# KiCad board HermEIS.kicad_pcb (continued)
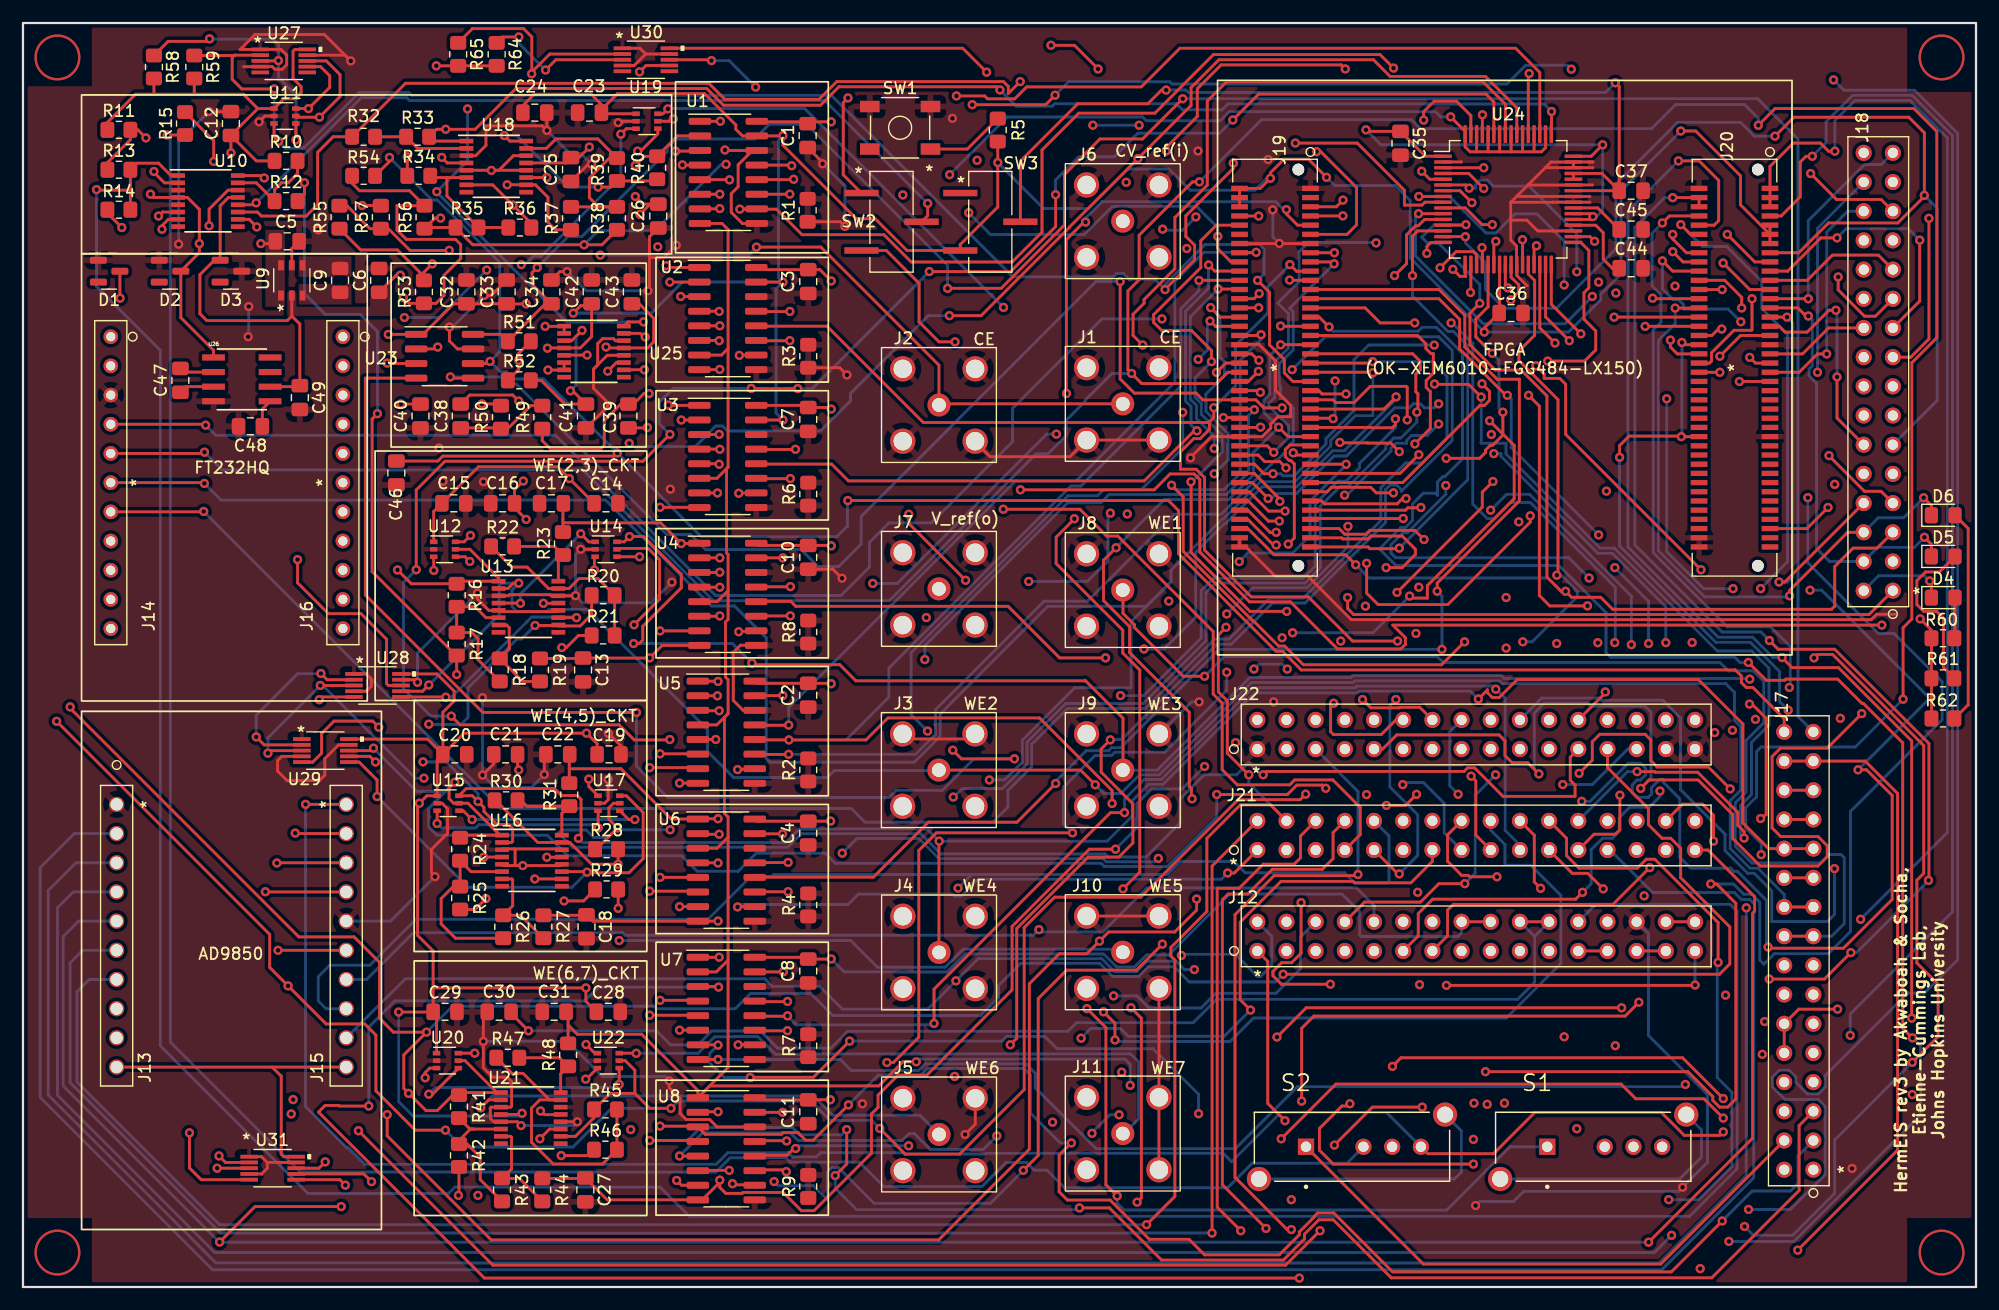
[diagram p0: board, top side]
## Routing (per net, layer and track width the routed paths; a pad name or vN(x,y) marks a point on that pad's centre or on a via; arc(x,y) is an arc through that point) (continued)
/SQ_2: length 243.2
  Top w0.25: J15.3 22.12,36.92 ; v2(116.2,35.9) 116.1,35.8 108.9,35.8 105.5,32.4 105.5,9.54 110.04,5 v2(110.4,5)
  In1.Cu w0.25: v2(110.4,5) 106.5,1.1 8.8,1.1 0.8,9.1 0.8,45 5.1,49.3 17,49.3 22.1,44.2 v2(22.1,36.9)
  Bottom w0.25: v2(116.2,35.9) 116.2,43.13 J22.A3
/SYS_CLK4: length 144.2
  Top w0.25: J19.11 115.25,91.61 116.08,92.44 116.08,95.69 112.97,98.8 v2(112.6,98.8) ; J12.A6 121.45,30.56 121.45,32.5 122.7,33.75 135.15,33.75 v2(135.75,34.35)
  In2.Cu w0.25: v2(112.6,98.8) 107.9,98.8 104.7,95.6 104.7,91.66 105.13,91.24 105.22,91.24 106.4,90.05 106.4,88.4 105.44,87.44 105.44,84.23 108.36,81.31 109.75,81.31 109.96,81.53 122.32,81.53 122.56,81.28 123.28,81.28 125.15,79.42 125.15,67.04 135.21,56.97 135.21,54.6 136.64,53.17 145.37,53.17 149.9,48.64 149.9,48.05 149.5,47.65 148.05,47.65 143.5,43.1 142.55,43.1 v2(142.49,43.16)
  Bottom w0.25: v2(142.49,43.16) 142.49,42.69 141.54,41.74 139.83,41.74 138.94,40.85 138.94,39.65 138.35,39.05 137.5,39.05 136.5,38.06 136.5,35.1 v2(135.75,34.35)
/SYS_CLK5: length 97
  Top w0.25: v2(141.6,36.5) 138.4,33.3 124.5,33.3 124,32.8 124,30.57 J12.A7 ; J20.8 143.31,93.21 v2(142.7,92.6)
  In1.Cu w0.25: v2(141.6,36.5) 141.6,38.6 142.55,39.55 144.05,39.55 144.05,40.96 152.25,49.16 152.25,50.95 153.48,52.18 v2(153.75,52.18)
  Bottom w0.25: v2(142.7,92.6) 141.8,91.7 141.8,87.13 142.57,86.35 142.57,83.95 141.9,83.27 141.9,63.9 148.35,57.45 152.12,57.45 153.84,55.73 153.84,52.27 v2(153.75,52.18)
/T19: length 70.3
  Top w0.25: U24.11 121.48,93.41 v2(121.47,93.4) ; J20.16 144.79,90.01 143.6,91.2 v2(143.6,91.6)
  In1.Cu w0.25: J18.A7 162.76,75.26 162.1,74.6 147,74.6 139.5,82.1 139.5,86.35 ; v2(143.6,91.6) 139.5,87.5 139.5,86.35 ; 139.5,86.35 139.5,85.65 139.4,85.55 137.25,85.55 v2(136.6,86.2)
  Bottom w0.25: v2(121.47,93.4) 121.2,93.13 121.2,89.74 127.11,83.83 134.22,83.83 v2(136.6,86.2)
/T20: length 67
  Top w0.25: v2(165.9,93) 165.9,82.5 164.32,80.92 J18.A9 ; v2(143.6,90.1) 144.49,89.21 J20.18 ; v2(125.88,95.63) 125.6,95.91 U24.6
  In2.Cu w0.25: v2(135.25,88.35) 137,90.1 v2(143.6,90.1) 146.1,92.6 165.5,92.6 v2(165.9,93)
  Bottom w0.25: v2(125.88,95.63) 126.42,95.63 126.42,95.9 126.85,96.33 127.45,96.33 127.97,95.8 131.11,95.8 135.25,91.66 v2(135.25,88.35)
/U19: length 75.7
  Top w0.25: U24.7 125.08,95.41 v2(126.12,94.37) ; J18.A10 163.79,84.48 163.79,84.49 165.1,85.8 v2(165.1,91.1) ; J20.19 153.59,88.41 153.6,88.4 156.5,91.3 v2(157.9,91.3)
  In1.Cu w0.25: v2(126.12,94.37) 126.86,93.63 132.16,93.63 138.65,87.14 v2(138.65,86.5)
  In2.Cu w0.25: v2(138.65,86.5) 138.92,86.78 142.15,86.78 142.67,86.25 142.67,82.1 143.3,81.48 144.7,81.48 145.23,82 148.17,82 150,80.18 154.3,80.18 154.52,80.4 158.44,80.4 159.34,79.5 160.65,79.5 161.35,80.2 161.35,82.05 J18.A10
  Bottom w0.25: v2(157.9,91.3) 158.7,92.1 164.1,92.1 v2(165.1,91.1)
/USB_SCL: length 144.1
  Top w0.25: v2(164.4,23.4) 164.4,47.53 158.03,53.9 153.99,53.9 v2(153.12,54.78) ; J20.10 147.19,92.41 147.2,92.4 147.6,92.8 147.6,96.3 145.9,98 v2(144.1,98)
  In2.Cu w0.25: J12.A8 131.97,22.5 149.1,22.5 151,24.4 155.8,24.4 156.9,23.3 164.3,23.3 v2(164.4,23.4)
  Bottom w0.25: v2(144.1,98) 139.7,93.6 139.7,64.4 147.55,56.55 150.55,56.55 152.32,54.78 v2(153.12,54.78)
/USB_SDA: length 157.9
  Top w0.25: v2(144.3,92.45) 145.14,91.61 J20.12
  In1.Cu w0.25: v2(135.25,13.78) 133.02,16 v2(128.95,16) ; v2(151.25,60.77) 150.52,61.5 148.5,61.5 147.65,60.65 151.31,56.99 156.61,56.99 163.67,49.93 163.67,17.53 v2(164.45,16.75)
  In2.Cu w0.25: J12.A9 126.36,30.65 124.85,30.65 123.9,29.7 123.9,28.85 128.95,23.8 v2(128.95,16) ; v2(164.45,16.75) 159.43,11.73 144.79,11.73 142.74,13.78 v2(135.25,13.78)
  Bottom w0.25: v2(151.25,60.77) 151.75,61.27 153.6,63.13 153.6,82.9 151.35,85.15 151.35,87.5 148.3,90.55 146.2,90.55 v2(144.3,92.45)
/V_dds: length 193.9
  Top w0.25: R15.1 v2(12.55,100.25)
  Bottom w0.25: S2.2 115.26,10.78 107.01,10.78 104.88,8.65 90.65,8.65 89.13,10.17 88.03,10.17 87.36,10.84 85.56,10.84 85.18,10.46 85.18,10.46 83.46,8.74 74.95,8.74 74.82,8.87 74.8,8.87 72.79,10.88 66.77,10.88 66.41,11.24 61.54,11.24 60.3,10 24.15,10 12.82,21.33 12.82,99.98 v2(12.55,100.25)
/V_ref: length 348.2
  Top w0.25: v2(157.95,24.18) 154.57,24.18 J17.B6 153.3,20.37 ; U10.11 20.4,93.55 20.75,93.2 24.65,93.2 25.65,94.2 25.65,98.75 27,100.1 R32.1 33.3,104.75 59.7,104.75 61.09,103.36 69.3,103.36 70.84,104.9 85.34,104.9 85.77,104.48 85.77,103.87 v2(86.8,104.9)
  In1.Cu w0.25: v2(86.8,104.9) 87.7,104 87.7,65.76 84.28,62.34 79.98,62.34 79.73,62.08 79.73,60.71 93.36,60.71 101.96,52.1 119.8,52.1 121.34,50.56 121.34,48.15 J22.A7
  In2.Cu w0.25: v2(157.95,24.18) 167.1,33.33 167.1,99.17 163.06,103.21 132.14,103.21 131,104.35 100.35,104.35 99.81,104.89 87.89,104.89 87.35,104.35 v2(86.8,104.9)
/Vref_o: length 337.1
  Top w0.25: v2(60.65,79.85) 60.64,79.84 58.88,79.84 ; U7.3 60.5,26.16 v2(60.55,26.1) ; U1.1 60.7,101.45 v2(60.7,101.45) ; 58.88,69.11 58.88,69.1 v2(60.45,69.1) ; v2(60.5,36.9) 60.48,36.92 U6.4 ; U18.7 40.89,95.91 v2(42.65,94.15) 44.25,92.55 R36.2 ; U5.5 58.75,47.65 v2(60.3,47.65) ; v2(111.1,0.78) 40.16,0.78 25.72,15.22 26.3,15.8 27.5,15.8 27.55,15.75 v2(30.1,15.75) ; 58.88,58.38 60.62,58.38 v2(60.65,58.4) ; v2(60.5,15.25) 58.79,15.25 U8.2
  In1.Cu w0.25: v2(60.5,15.25) 58.2,17.55 58.2,26.15 ; 58.2,69.15 60.4,69.15 v2(60.45,69.1) ; 58.2,69.15 58.2,58.45 ; 58.2,69.15 58.2,79.85 ; v2(111.1,0.78) 114.77,4.45 139.9,4.45 141.6,2.75 148.25,2.75 148.51,2.49 154.78,2.49 158.1,5.8 158.1,9.2 157.09,10.21 J17.A1 ; v2(60.5,36.9) 58.2,36.9 ; 58.2,36.9 58.2,47.7 ; 58.2,36.9 58.2,26.15 ; v2(60.65,58.4) 58.25,58.4 58.2,58.45 ; 58.2,47.7 60.25,47.7 v2(60.3,47.65) ; 58.2,47.7 58.2,58.45 ; 58.2,79.85 58.2,100.75 58.9,101.45 v2(60.7,101.45) 58.85,99.6 53.1,99.6 50.5,97 49.8,97 46.95,94.15 v2(42.65,94.15) ; 58.2,79.85 v2(60.65,79.85) ; 58.2,26.15 60.5,26.15 v2(60.55,26.1)
  Bottom w0.25: v2(60.55,26.1) 50.1,26.1 48.9,24.9 32.37,24.9 30.1,22.63 v2(30.1,15.75)
/Vref_r: length 113.6
  Top w0.25: R34.1 v2(33.45,98.35) ; v2(133.05,102.3) 133.05,100.35 U24.49 ; v2(85.04,104.18) 84.77,104.45 71.02,104.45 69.41,102.84 60.97,102.84 59.51,104.3 42.91,104.3 39.36,100.75 v2(36.8,100.75) 36,100.75 R33.2 35.73,99.72 U18.1
  In1.Cu w0.25: v2(33.45,98.35) 35.85,100.75 v2(36.8,100.75)
  Bottom w0.25: v2(133.05,102.3) 132.39,102.96 104.88,102.96 104.36,102.44 100.94,102.44 100.62,102.76 100.57,102.76 100.36,102.97 89.81,102.97 89.6,102.76 86.46,102.76 v2(85.04,104.18)
/W20: length 102.7
  Top w0.25: v2(152.5,100.15) 154.15,101.8 164.15,101.8 165.5,100.45 v2(165.5,95) 165.5,94.91 163.19,92.6 157.16,92.6 154.57,90.01 J20.15 ; U24.15 125.55,91.41 v2(125.55,91.4)
  Bottom w0.25: J18.A6 166.62,77.16 166.62,93.88 v2(165.5,95) ; v2(125.55,91.4) 125.55,90.87 127.3,89.12 127.3,86.8 128.92,85.18 133.47,85.18 138.65,90.35 138.65,95.98 144.02,101.35 149.5,101.35 150.7,100.15 v2(152.5,100.15)
/W22: length 57.1
  Top w0.25: v2(136.8,91) 136.39,91.41 134.95,91.41 ; v2(148.35,91.6) 150.74,89.21 J20.17
  In1.Cu w0.25: J18.A8 161.74,77.36 155.16,77.36 154.5,76.7 147.1,76.7 142.1,81.7 142.1,85.33 142.15,85.33 142.57,85.75 142.57,87.73 146.45,91.6 v2(148.35,91.6) 147.8,91.6 146,93.4 139.2,93.4 v2(136.8,91)
/WE1: length 190.8
  Top w0.25: v2(102.85,53.15) 100.98,53.15 96.74,57.39 96.74,57.63 95.75,58.62 95.75,60.7 ; v2(56.13,102.53) 55.7,102.1 U19.6 ; v2(53.67,105.75) 53.71,105.78 53.71,105.78 54.23,106.3 U30.7 ; U18.11 45.6,96.55 v2(45.6,96.55) ; 153.3,30.53 155.84,30.53
  In2.Cu w0.25: v2(45.6,96.55) 49.23,96.55 49.58,96.89 49.89,96.89 52.33,99.33 52.33,99.34 53.01,100.03 53.63,100.03 v2(56.13,102.53) 56.13,103.29 v2(53.67,105.75) ; v2(85.35,85.25) 90.65,85.25 94.45,81.45 93.96,80.96 93.96,67.06 94.32,66.71 94.32,62.13 95.75,60.7
  Bottom w0.25: v2(102.85,53.15) 104.55,54.85 123.12,54.85 123.62,54.35 147.71,54.35 148.44,53.62 149.99,53.62 150,53.63 150.6,53.63 151.52,52.7 151.52,49.1 149.97,47.55 149.97,43.06 149.05,42.14 149.05,38.35 150.5,36.9 156.46,36.9 157.2,37.64 158.25,37.64 158.53,37.36 158.53,31.63 157.43,30.53 155.84,30.53 ; v2(85.35,85.25) 68.05,102.55 56.15,102.55 v2(56.13,102.53)
/WE2: length 170.9
  Top w0.25: v2(35.33,52.39) 34.78,51.85 U28.7 ; U13.2 42.22,60.79 42.68,61.25 v2(43.15,61.25) ; v2(93.33,43.71) 92.05,44.99 79.73,44.99 ; U12.6 38.4,64.85 v2(38.95,65.4) ; J17.B10 J17.A10
  In1.Cu w0.25: v2(38.95,65.4) 39,65.4 v2(43.15,61.25)
  Bottom w0.25: 79.73,44.99 79.69,44.95 70.61,44.95 70.01,44.34 61.86,44.34 59.58,46.62 59.58,48.53 49.12,58.98 47.47,58.98 47.45,58.96 45.79,58.96 45.6,58.77 43,58.77 42.58,59.2 42.58,60.68 v2(43.15,61.25) 41.65,61.25 41.45,61.05 41.45,58.51 v2(35.33,52.39) ; v2(93.33,43.71) 94.1,42.94 95.55,42.94 97.18,44.57 98.9,44.57 106.93,52.6 115.78,52.6 115.93,52.75 128.5,52.75 128.74,52.51 148.22,52.51 148.97,51.76 148.97,49.31 149.52,48.75 149.52,43.25 148.6,42.32 148.6,38.16 150.31,36.45 151.02,36.45 153.3,34.16 J17.B10
/WE3: length 183.8
  Top w0.25: v2(53.15,56) 53.65,56 53.95,56.3 53.95,57.5 57.3,60.85 57.3,62.03 54.02,65.31 v2(52.79,65.31) 52.33,64.85 U14.6 ; v2(48.18,58.25) 48.18,58.25 U13.11 ; v2(63.45,54.3) 63.59,54.16 71.09,54.16 72.5,52.75 92.4,52.75 92.45,52.8 95.75,49.5 95.75,44.98 ; v2(36.81,51.33) 36.79,51.35 U28.6 ; J17.B11 J17.A11
  In1.Cu w0.25: v2(48.18,58.25) 52.79,62.86 v2(52.79,65.31)
  In2.Cu w0.25: J17.A11 159.56,35.61 161.15,37.2 161.15,47.55 155.8,52.9 v2(150.3,52.9)
  Bottom w0.25: v2(63.45,54.3) 61.75,56 v2(53.15,56) ; 95.75,44.98 98.73,44.98 106.8,53.05 115.59,53.05 115.74,53.2 128.69,53.2 128.93,52.96 150.24,52.96 v2(150.3,52.9) ; v2(36.81,51.33) 37.3,51.33 43.84,57.87 43.85,57.87 44.28,58.3 48.14,58.3 v2(48.18,58.25)
/WE4: length 173.4
  Top w0.25: U29.7 30.2,46.18 v2(30.69,45.69) ; 79.73,29.14 79.73,38.78 v2(79.75,38.8) ; U16.2 42.52,38.69 42.62,38.8 42.62,39.88 42.25,40.25 41.26,40.25 40.12,41.39 40.12,41.74 39.11,42.75 U15.6 38.58,43.38 46.26,43.38 46.86,42.78 48.24,42.78 48.58,42.44 48.58,39.27 v2(48.35,39.05) ; v2(126.68,51.17) 127.48,51.97 127.48,51.73 127.9,51.3 128.5,51.3 130.05,52.85 145.85,52.85 149.71,48.99 149.71,40.38 151.94,38.15 J17.B12 J17.A12
  In2.Cu w0.25: v2(34.82,45.7) 34.81,45.69 v2(30.69,45.69)
  Bottom w0.25: v2(34.82,45.7) 36.85,45.7 39.61,42.93 v2(39.61,42.25) ; v2(48.35,39.05) 48.72,38.68 66.38,38.68 67.57,39.87 78.69,39.87 v2(79.75,38.8) 94.37,38.8 96.56,41 96.56,42.34 97.98,43.75 99.24,43.75 107.19,51.7 116.15,51.7 116.3,51.85 126,51.85 v2(126.68,51.17)
/WE5: length 202.5
  Top w0.25: U17.6 52.53,42.75 53.98,41.29 53.98,37.29 52.75,36.05 49.15,36.05 v2(49.1,36.1) 49.05,36.15 U16.11 ; J17.B13 J17.A13 ; U29.6 29.26,45.68 30.82,44.12 v2(30.82,42.68)
  In1.Cu w0.25: v2(95.64,18.7) 95.77,18.7 97.35,20.28 104.32,20.28 106.8,17.8 136.9,17.8 137.9,18.8 146.26,18.8 147.7,20.24 147.7,24.25 146.65,25.3 147.7,26.35 148.45,26.35 149.12,27.02 149.12,32.63 148.3,33.45 141.7,33.45 v2(141.11,34.04) ; v2(49.1,36.1) 49.1,32.95 v2(51.9,30.15)
  In2.Cu w0.25: 95.75,29.13 95.75,24.28 94.6,23.14 94.15,23.14 94.15,21.37 94.75,20.78 94.92,20.78 95.52,20.17 95.52,18.82 v2(95.64,18.7) ; v2(141.11,34.04) 141.37,33.78 148.48,33.78 150.57,35.87 150.57,37.92 151,38.35 151.51,38.35 153.3,40.14 J17.B13
  Bottom w0.25: v2(49.1,36.1) 47.79,34.79 38.72,34.79 v2(30.82,42.68) ; v2(51.9,30.15) 72.05,30.15 74.37,27.83 80.27,27.83 81.84,29.4 95.47,29.4 J10.1
/WE6: length 206.3
  Top w0.25: U31.7 29.67,9.84 v2(30.34,9.17) ; v2(39.85,15.6) 40.54,16.29 U21.2 ; J17.B14 J17.A14 ; v2(39.32,20.35) U20.6
  In1.Cu w0.25: v2(39.32,20.35) 39.32,16.13 v2(39.85,15.6) ; v2(145.99,1.6) 154.54,1.6 162.04,9.1 162.04,41.23 160.04,43.23 J17.A14
  In2.Cu w0.25: v2(39.85,15.6) 33.42,9.17 v2(30.34,9.17) ; 79.73,13.29 80.92,14.48 84.37,14.48 85.34,15.45 90.89,15.45 91.85,14.49 93.33,14.49 93.73,14.08 93.73,11.65 94.06,11.33 94.06,7.86 100.31,1.6 v2(145.99,1.6)
  Bottom w0.25: v2(39.85,15.6) 40.88,16.63 68.8,16.63 70.48,14.95 78.06,14.95 79.73,13.29
/WE7: length 219.5
  Top w0.25: v2(53.38,20.34) 53.37,20.35 U22.6 ; v2(154.48,3.21) 163.17,11.9 163.17,42.95 160.35,45.77 J17.A15 J17.B15 ; v2(44.99,12.9) 45.84,13.75 U21.11 ; U31.6 27.58,9.34 v2(28.06,8.86)
  In1.Cu w0.25: v2(53.38,20.34) 52.43,20.34 v2(44.99,12.9) ; 95.75,13.28 94.51,14.52 94.51,16.04 95.18,16.71 96.57,16.71 98.16,18.3 100.93,18.3 102.19,17.04 106.03,17.04 106.16,16.9 136.94,16.9 141.21,12.63 141.21,5.77 143.76,3.21 v2(154.48,3.21)
  In2.Cu w0.25: v2(44.99,12.9) 41.8,12.9 37.34,8.45 28.48,8.45 v2(28.06,8.86)
  Bottom w0.25: 95.75,13.28 97.1,14.63 97.1,19.6 96.42,20.28 67.93,20.28 67.9,20.25 65.51,20.25 63.96,21.8 61.95,21.8 61.92,21.78 60.2,21.78 58.76,20.34 v2(53.38,20.34)
nVDD_2: length 413.2
  Top w0.25: 127.54,98.79 128.61,98.79 ; 127.54,98.79 127.53,98.8 U24.60 ; 127.54,98.79 126.55,98.79 ; 128.61,98.79 128.53,98.87 U24.58 ; 128.61,98.79 129.53,98.79 ; v2(37.9,7.98) 37.95,8.03 R42.1 ; 126.55,98.79 126.53,98.81 U24.62 ; 126.55,98.79 125.96,98.79 125.53,99.22 U24.64 125.53,100.57 v2(124.27,101.83) ; R29.1 48.8,33.6 v2(47.1,33.6) ; R46.1 49.19,11.44 v2(46.85,11.44) ; v2(37.75,53.3) R17.1 37.7,54.95 30.39,62.26 30.39,75.54 v2(30.85,76) ; v2(139.15,24.3) 111.7,24.3 v2(109.15,21.75) ; 131.49,98.79 131.53,98.83 U24.52 ; 131.49,98.79 130.5,98.79 ; 131.49,98.79 132.17,98.79 132.53,99.15 U24.50 ; v2(21,96.51) 20.79,96.72 U10.16 ; U24.56 129.53,98.79 ; 129.53,98.79 130.5,98.79 ; v2(36.35,93.02) 35.87,93.02 35.05,92.2 R35.1 39.15,90.7 v2(48.84,90.7) 50.4,90.7 R38.1 ; 130.5,98.79 130.53,98.82 U24.54 ; R21.1 48.35,56.7 47.3,55.65 v2(46.9,55.65) ; R25.1 39.35,32.85 v2(40.3,33.8) ; v2(24.5,96.1) 24.5,95.1 R12.2
  In1.Cu w0.25: v2(37.75,53.3) 33.2,48.75 33.2,40.9 v2(40.3,33.8) 36.05,29.55 36.05,7.64 37.56,7.64 v2(37.9,7.98) 40.82,10.9 46.31,10.9 v2(46.85,11.44) ; v2(21,96.51) 21.3,96.21 21.3,96.2 21.4,96.1 v2(24.5,96.1) 32.65,96.1 35.73,93.02 v2(36.35,93.02) ; v2(80.66,96.8) 80.61,96.85 69.37,96.85 67.84,98.38 61.88,98.38 v2(61.2,97.7) ; v2(109.15,21.75) 108.3,20.9 96.94,20.9 95.4,19.36 92.24,19.36 90.68,17.8 90.68,13.46 89.82,12.6 87.52,12.6 86.05,14.07 86.05,16.57 84.29,18.33 v2(81.1,18.33)
  In2.Cu w0.25: v2(47.1,33.6) 46.9,33.8 v2(40.3,33.8) ; v2(46.85,11.44) 49.96,14.55 53.25,14.55 53.62,14.18 53.62,9.01 55.15,7.49 70.15,7.49 80.99,18.33 v2(81.1,18.33) ; v2(37.75,53.3) 44.55,53.3 v2(46.9,55.65) ; J12.B13 139.15,30.56 v2(139.15,24.3)
  Bottom w0.25: v2(48.84,90.7) 50.06,91.92 55,91.92 60.78,97.7 v2(61.2,97.7) ; v2(80.66,96.8) 85.69,101.83 97.45,101.83 97.79,101.49 104.21,101.49 105.01,102.29 122.94,102.29 123.39,101.83 v2(124.27,101.83) ; v2(30.85,76) 30.85,83.15 29.35,84.65 26.3,84.65 24.5,86.45 v2(24.5,96.1)
Net-(C37-Pad1): length 78.7
  Top w0.25: 134.95,95.41 C37.1 ; C37.1 138.94,104.46 v2(138.6,104.8) ; C37.1 137.44,96.91 134.95,96.91 134.95,96.41 ; v2(99.51,104.16) 99.1,104.16 97.91,102.97 91.81,102.97 86.83,97.99 86.83,95.99 86.82,95.98 SW3.2
  Bottom w0.25: v2(138.6,104.8) 137.75,103.95 101.44,103.95 101.23,104.16 v2(99.51,104.16)
Net-(C38-Pad1): length 8
  Top w0.25: R49.2 44.2,76.7 42.2,74.7 R50.1 41.54,74.76 C38.1
Net-(C39-Pad1): length 19.9
  Top w0.25: R51.2 43.15,81.25 v2(43.15,80.65) 43.15,79.85 R52.1 ; v2(54.35,74.8) 54.31,74.76 C39.1
  In1.Cu w0.25: v2(43.15,80.65) 43.15,79.98 48.33,74.8 v2(54.35,74.8)
Net-(C39-Pad2): length 27.7
  Top w0.25: v2(45.45,83.6) 47.08,83.6 U25.1 U25.2 ; R49.1 45.2,73.65 45.95,72.9 50.25,72.9 50.6,73.25 50.6,75.4 52.04,76.84 C39.2 53.14,76.84 54.05,77.75 v2(54.5,77.75)
  In1.Cu w0.25: v2(45.45,83.6) 51.3,77.75 v2(54.5,77.75)
Net-(C40-Pad1): length 30.4
  Top w0.25: v2(49.1,81.1) 47.12,81.1 U25.5 ; C40.1 32.91,76.84 v2(32.9,76.85) ; R50.2 41.45,76.85 v2(39.95,76.85)
  In1.Cu w0.25: v2(32.9,76.85) v2(39.95,76.85)
  In2.Cu w0.25: v2(49.1,81.1) 48.52,80.52 46.01,80.52 46,80.53 45.33,80.53 41.65,76.85 v2(32.9,76.85)
Net-(C41-Pad1): length 15.1
  Top w0.25: v2(48.66,83.25) 47.76,82.35 U25.3 ; R52.2 45.1,78.9 47.16,76.84 C41.1 47.85,77.99 v2(47.65,77.99)
  Bottom w0.25: v2(47.65,77.99) 48.13,78.47 48.13,82.72 v2(48.66,83.25)
Net-(C44-Pad1): length 6.9
  Top w0.25: 134.95,92.41 134.96,92.4 136.9,92.4 137.55,91.75 137.55,89.45 138.34,88.66 C44.1
Net-(C45-Pad1): length 4.8
  Top w0.25: 134.95,93.91 137.07,93.91 C45.1
Net-(C47-Pad1): length 3
  Top w0.25: C47.1 14.02,79.62 U26.2
Net-(C47-Pad2): length 3.1
  Top w0.25: U26.3 14.19,78.35 C47.2
Net-(C48-Pad1): length 2.5
  Top w0.25: C48.1 20.84,76.41 U26.5
Net-(D4-Pad2): length 3.6
  Top w0.25: R60.1 168.17,56.51 D4.2
Net-(D5-Pad2): length 14.7
  Top w0.25: R61.1 167.16,53.93 167.16,58.21 166.57,58.8 165.44,58.8 164.85,59.39 164.85,61.48 165.6,62.23 166.81,62.23 167.18,62.59 167.18,62.59 D5.2
Net-(D6-Pad2): length 18.7
  Top w0.25: R62.1 169.3,50.66 169.32,50.66 169.32,66.01 D6.2
Net-(R5-Pad2): length 7
  Top w0.25: R5.2 82.2,99.03 SW1.1
Net-(R10-Pad2): length 8.5
  Top w0.25: U10.15 20.31,96.09 R12.1 21.9,95.5 22.5,96.1 23.1,96.1 23.9,96.9 R10.2
Net-(R11-Pad2): length 11.7
  Top w0.25: v2(11.4,97.08) 11.4,97 12.31,96.09 U10.2 ; R13.1 7.35,97.85 9.35,99.85 R11.2 10,100.7 v2(10.7,100)
  In1.Cu w0.25: v2(10.7,100) 10.7,97.78 v2(11.4,97.08)
Net-(R16-Pad2): length 12.9
  Top w0.25: U13.6 40.3,58.25 39.35,59.2 R16.2 R17.2 39.09,56.95 39.61,56.43 39.61,54.59 R18.1
Net-(R18-Pad2): length 8.4
  Top w0.25: R19.1 43.5,52.7 R18.2 42.33,55.53 42.33,57.38 42.09,57.61 U13.7
Net-(R20-Pad2): length 16.7
  Top w0.25: R22.1 42.55,62.65 43.89,62.65 45.75,60.79 U13.15 47.54,60.79 48.4,61.65 50.05,61.65 R20.2 R21.2
Net-(R22-Pad2): length 7
  Top w0.25: R22.2 46.25,64.45 R23.1 46.6,63.3 U13.16
Net-(R24-Pad2): length 16.5
  Top w0.25: U16.6 39,36.15 R24.2 R25.2 37.45,34.85 36.4,33.8 36.4,31.6 37.65,30.35 R26.1
Net-(R26-Pad2): length 8.7
  Top w0.25: R27.1 43.3,32.35 R26.2 42.62,33.18 42.62,35.44 42.55,35.51 U16.7
Net-(R28-Pad2): length 19.9
  Top w0.25: R30.1 41.15,42.35 44.81,38.69 U16.15 47.6,38.69 49.5,36.79 v2(51.8,36.79) R28.2 ; R29.2 51.81,34.59 v2(51.81,32.95)
  In1.Cu w0.25: v2(51.81,32.95) 51.8,32.96 v2(51.8,36.79)
Net-(R30-Pad2): length 7.5
  Top w0.25: R30.2 43.35,42.35 43.85,41.85 R31.1 46.9,41.2 U16.16
Net-(R32-Pad2): length 8.4
  Top w0.25: R32.2 R33.1 34.38,99.08 38.59,99.08 U18.2
Net-(R34-Pad2): length 11.3
  Top w0.25: R34.2 35.6,96.55 36.9,96.55 ; R36.1 R35.2 36.9,94.95 36.9,96.55 ; 36.9,96.55 U18.6
Net-(R37-Pad2): length 20.8
  Top w0.25: U18.15 45.56,99.09 46.39,99.92 50.04,99.92 R39.1 51.05,98.25 49.3,96.5 49.3,94.8 50.1,94 R38.2 ; 51.7,93.72 R38.2 ; R38.2 R37.2
Net-(R39-Pad2): length 17.5
  Top w0.25: U18.16 42.38,99.72 v2(41.9,100.2) ; v2(50.06,95.72) 51.17,95.72 R39.2 55.05,96.25 R40.1
  Bottom w0.25: v2(41.9,100.2) 42.98,100.2 47.46,95.72 v2(50.06,95.72)
Net-(R41-Pad2): length 13
  Top w0.25: 39.25,13.75 38.9,13.75 R41.2 ; 39.25,13.75 38.95,13.75 37.95,12.75 R42.2 38.65,12.45 39.8,11.3 39.8,9.35 R43.1 ; 39.25,13.75 U21.6
Net-(R43-Pad2): length 9.2
  Top w0.25: R44.1 43.2,9.45 R43.2 42.53,10.28 42.53,13.04 42.45,13.11 U21.7
Net-(R45-Pad2): length 25.2
  Top w0.25: R47.1 42.56,18.59 43.53,18.59 45.83,16.29 U21.15 44.99,16.29 44.27,15.57 44.27,12.6 46.15,10.71 50.46,10.71 R46.2 R45.2
Net-(R47-Pad2): length 7.1
  Top w0.25: R47.2 46.7,19.95 R48.1 46.8,18.55 U21.16
Net-(R53-Pad1): length 51
  Top w0.25: R54.2 28.65,96.05 29.3,95.4 33.65,95.4 R56.2 32.55,94.1 32.55,91.99 33.37,91.17 37.65,91.17 38.1,90.72 38.1,89.5 36.65,88.05 36.65,86.3 35.95,85.6 R53.1 33.6,85.6 v2(33.1,86.1) ; U25.11 51.65,80.45 v2(50.9,79.7)
  In2.Cu w0.25: v2(50.9,79.7) 50.9,80.33 49.4,81.83 48.8,81.83 47.95,80.98 45.14,80.98 44.74,81.38 38.73,81.38 38.28,80.92 v2(33.1,86.1)
Net-(R53-Pad2): length 36.3
  Top w0.25: R55.1 29.4,90.25 32.6,90.25 34.9,87.95 R53.2 34.9,88.31 v2(35.63,89.04) ; v2(54.09,79.82) 52.31,79.82 U25.10
  In2.Cu w0.25: v2(35.63,89.04) 38.48,89.04 44.73,82.79 48.09,82.79 48.36,82.52 48.96,82.52 49.23,82.79 52.61,82.79 54.09,81.31 v2(54.09,79.82)
Net-(R55-Pad2): length 33.3
  Top w0.25: U25.15 53.74,82.99 54.05,82.68 v2(54.16,82.68) ; R55.2 28.2,94.1 30.2,92.1 R57.1 31.8,92.1 33.7,90.2 37.09,90.2 v2(37.1,90.21)
  In1.Cu w0.25: v2(37.1,90.21) 37.11,90.2 46.55,90.2 54.07,82.68 v2(54.16,82.68)
Net-(S1-PadS1): length 22.6
  Bottom w0.25: S1.S2 146.1,13.69 146.1,11.3 144.2,9.41 S1.S1
Net-(S2-PadS1): length 23.5
  Bottom w0.25: S2.S1 124.6,9.41 124.6,9.4 125.2,10 125.2,13.59 S2.S2
Net-(SW2-Pad2): length 69.5
  Top w0.25: v2(78.75,94.3) 78.75,93.23 SW2.2 ; U10.12 20.13,94.18 v2(20.3,94.35)
  Bottom w0.25: v2(20.3,94.35) 29.45,103.5 33.4,103.5 33.65,103.25 69.8,103.25 v2(78.75,94.3)

## Copper pours and planes (outline as drawn; the poured copper is in the pictures)
+3.3V on Top: 22.8,85.3 21.1,85.3 21.1,92 22.8,92
-3V on Top: 32.1,84.5 23,84.5 23,86.8 23.8,86.8 23.8,85.3 30.2,85.3 30.2,87.3 32.1,87.3
GND on Top: 170,0 0,0 0,110 170,110
Net-(C9-Pad1) on Top: 28.6,85.5 24,85.5 24,87.3 28.6,87.3
Net-(C9-Pad2) on Top: 28.6,87.9 24,87.9 24,89.7 28.6,89.7

## Text on the board
F.Silkscreen: AD9850 | FT232HQ | WE(4,5)_CKT | WE(2,3)_CKT | WE(6,7)_CKT | V_ref(o) | WE4 | WE2 | WE6 | CE | CV_ref(i) | WE3 | WE1 | WE5 | WE7 | FPGA / (OK-XEM6010-FGG484-LX150) | HermEIS rev3 by Akwaboah & Socha, / Etienne-Cummings Lab, / Johns Hopkins University
User.1: REF_WE1 GEN+CKT
